# Altium PCB 400501.PcbDoc (part 4 of 4)
Units mm, origin at the board's own origin, x right, y up, seen from the top; angles counter-clockwise.
Board outline 53 x 53 mm, 4 copper layers (Top Layer, Mid-Layer 1, Mid-Layer 2, Bottom Layer), stack 1.518 mm thick; 236 components, 152 nets, 829 pads, 1158 vias.
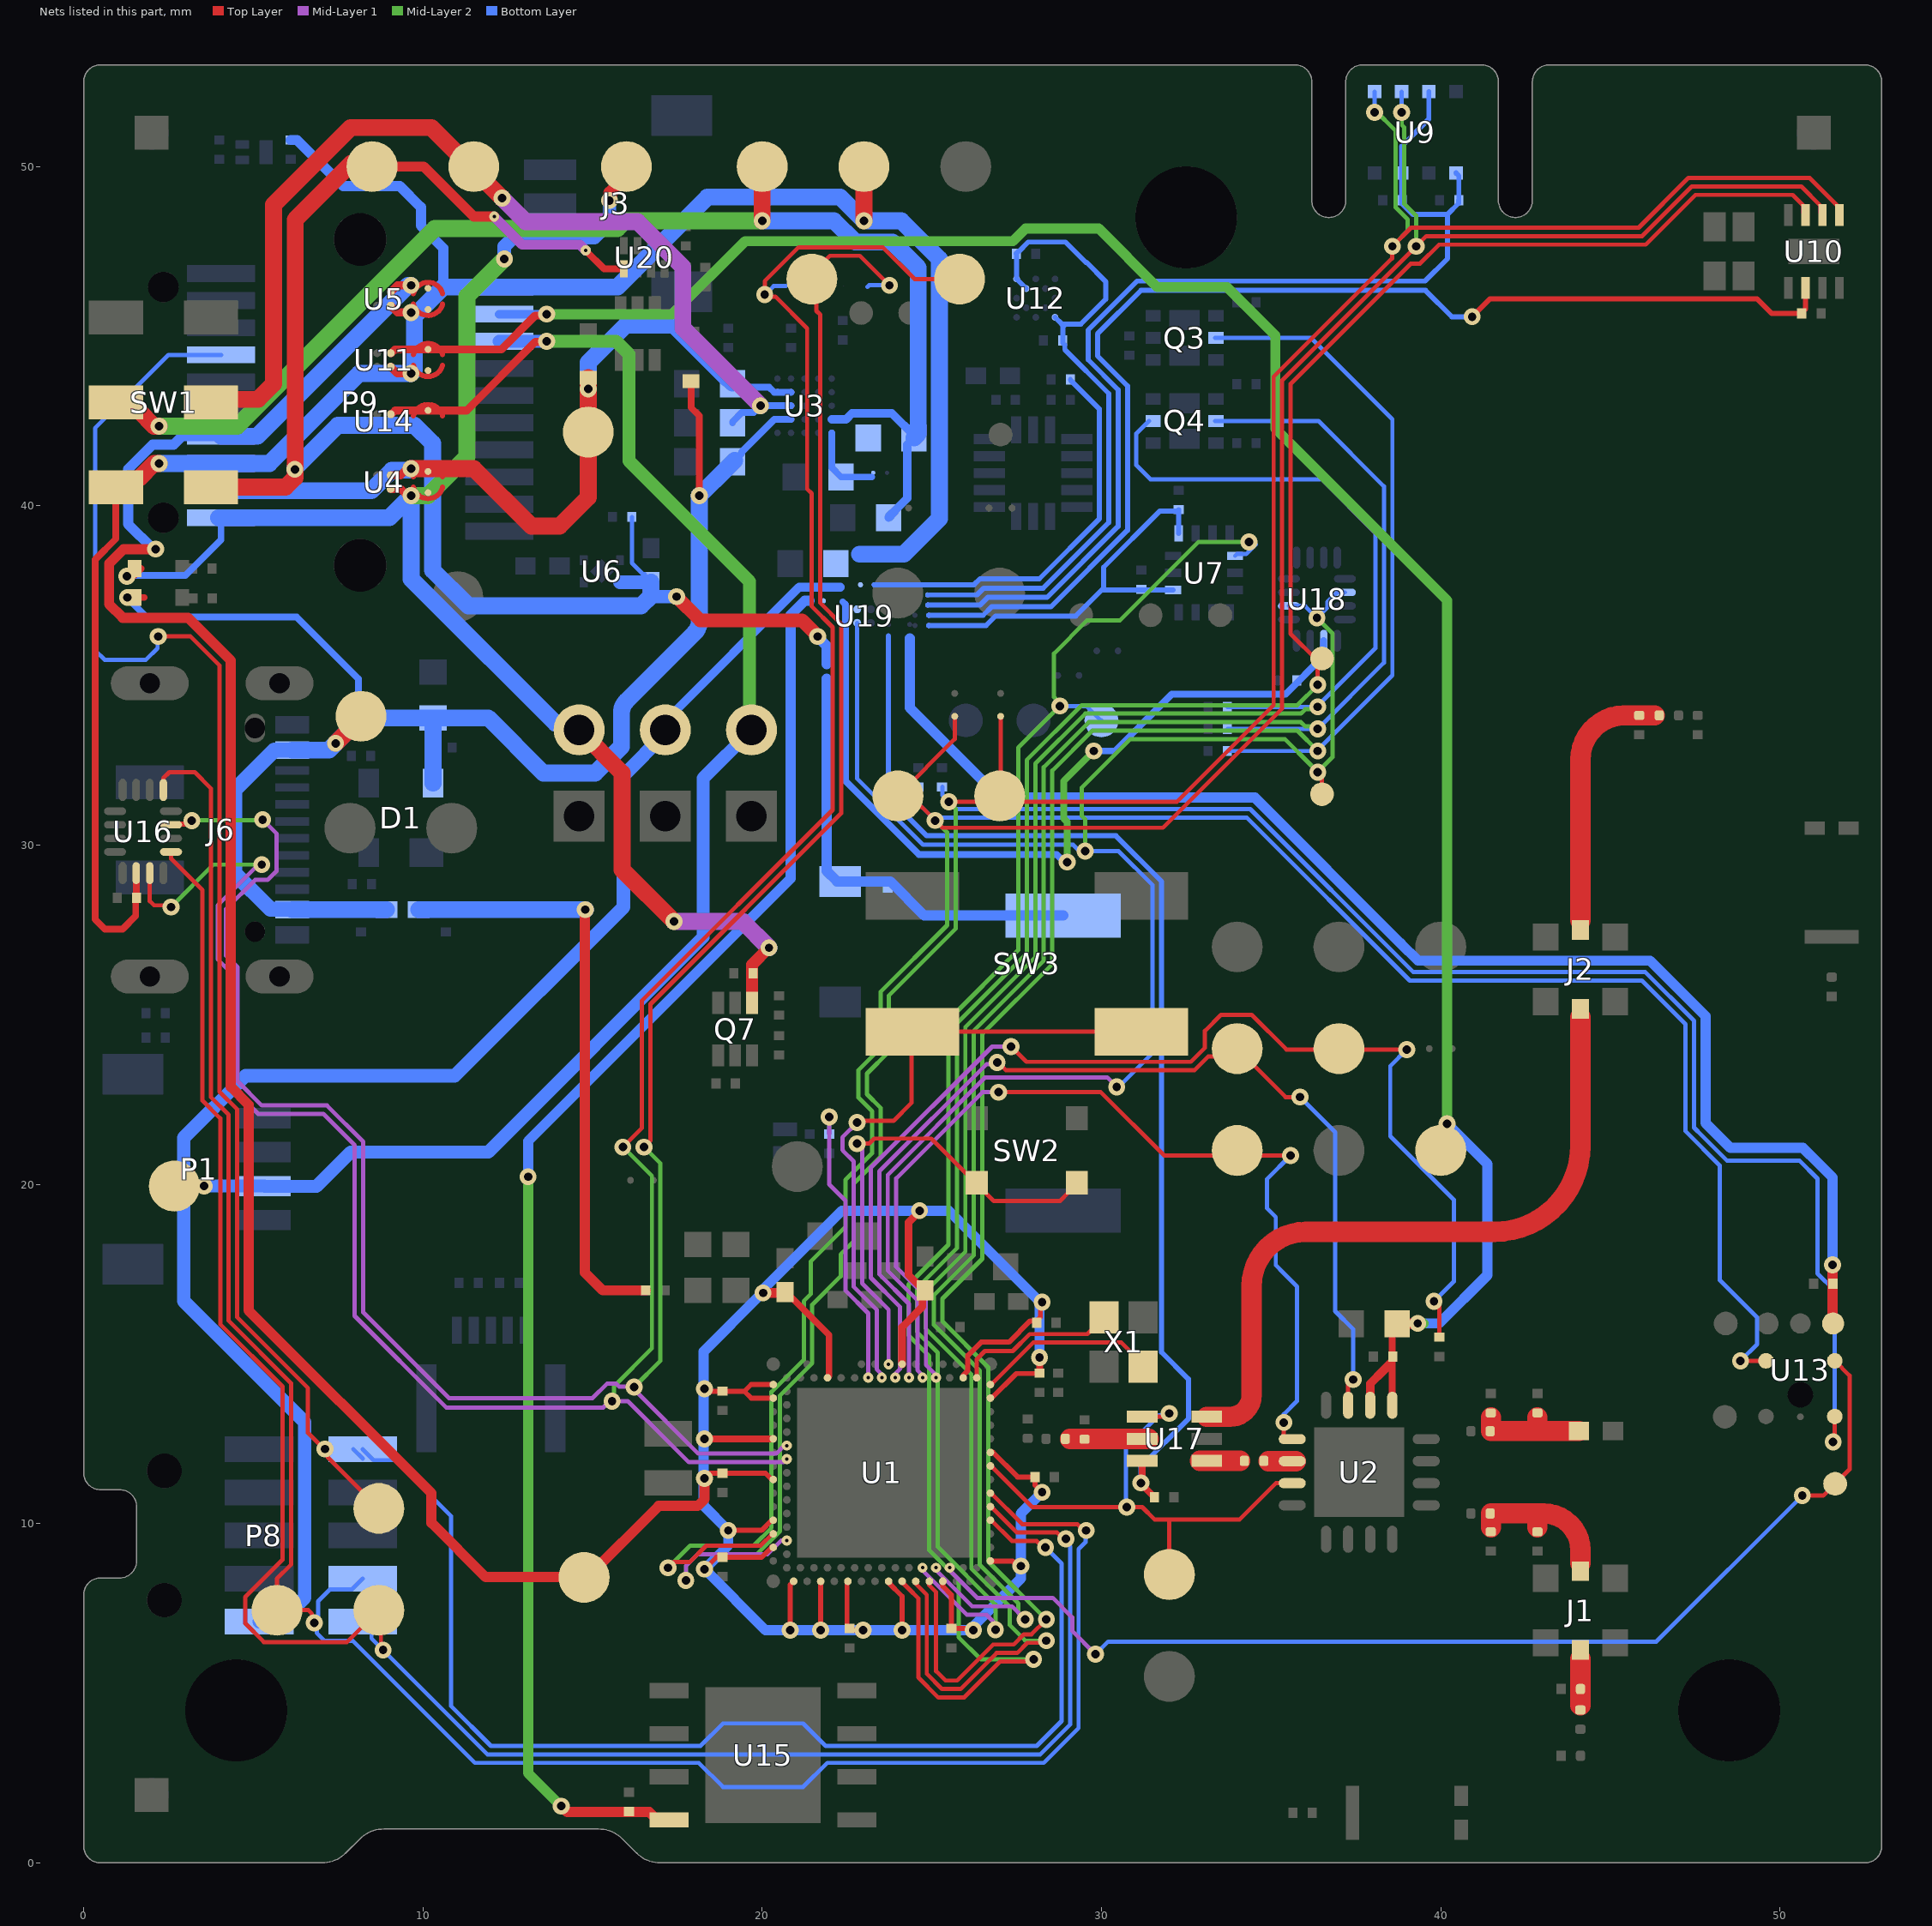
[diagram p6: the nets of this part, all layers, seen from the top]

## Via types
v1: diameter 0.5, hole 0.25, Top Layer to Bottom Layer, tented both sides, 843 vias
v2: diameter 0.3, hole 0.1, Top Layer to Mid-Layer 1, tented both sides, 281 vias
v3: diameter 0.3, hole 0.1, Mid-Layer 2 to Bottom Layer, tented both sides, 34 vias

## Nets (pads, with @x,y where several pads share a name; then routed paths per layer and width w, separated by ;. In a path a pad name is that pad's centre, name@x,y a point inside that pad or via, vN(x,y) a via of type N, cw(c..) or ccw(c..) an arc to the next point about the centre after c; other vN are vias at no path point) (continued)
P0.30: TP42.1 U1.B24 U2.9 | length 29.1
  Top Layer w0.125: v1(26.968,22.718) 29.982,22.718 31.85,20.85 v1(35.575,20.85) ; v1@35.367,12.864 35.367,12.573 35.448,12.492 U2.9@35.622,12.492
  Mid-Layer 1 w0.125: v2(25.125,14.3) 25.125,14.378 24.825,14.678 24.825,16.686 23.95,17.561 23.95,20.176 26.492,22.718 v1(26.968,22.718)
  Bottom Layer w0.125: v1(35.376,12.982) 35.376,13.226 35.762,13.612 35.762,16.988 35.275,17.475 35.275,17.481 35.138,17.619 35.138,19.037 34.883,19.292 34.883,20.158 v1(35.575,20.85)
P0.31: TP47.1 U1.B22 U18.2 U18.10 U19.B2 | length 52.6
  Top Layer w0.125: v1(36.375,32.15) 36.375,32.1 36.5,31.975 TP47.1@36.5,31.5
  Mid-Layer 1 w0.125: v2(24.725,14.3) 24.725,14.378 24.575,14.528 24.575,16.583 23.7,17.458 23.7,20.279 26.576,23.155 30.17,23.155 v1(30.45,22.875)
  Mid-Layer 2 w0.125: v1(29.521,29.825) 29.521,30.762 29.421,30.861 29.421,31.696 30.85,33.125 35.406,33.125 36.194,32.338 ; v1(36.35,36.7) 36.813,36.237 36.813,32.594 36.556,32.338
  Bottom Layer w0.125: U19.B2@22.8,36.55 22.8,31.954 24.741,30.013 29.162,30.013 29.35,29.825 29.421,29.825 30.504,29.825 31.5,28.829 31.5,23.861 30.514,22.875 v1(30.45,22.875) ; U18.2@35.525,37.05 36,37.05 v1(36.35,36.7) 36.663,37.013 36.663,37.173 36.837,37.348 36.839,37.348 36.942,37.45 U18.10@37.175,37.45
P1.00: SB11.1 TP33.1 U1.M2 U16.3 | length 75.5
  Top Layer w0.125: U16.3@2.575,30.6 U16.3@2.593,30.618 ; v1@2.982,30.618 3.086,30.722 v1(3.188,30.722) ; v1(16.518,21.1) 16.706,21.288 16.706,25.313 22.327,30.934 22.327,36.523 21.712,37.138 21.712,45.632 21.597,45.747 21.597,46.551 TP33.1@21.464,46.684 21.464,46.837 21.999,47.372 22.878,47.372 v1(23.75,46.5)
  Top Layer w0.152: U16.3@2.593,30.618 v1@2.982,30.618
  Mid-Layer 1 w0.125: v1(5.275,30.75) 5.688,30.337 5.688,29.244 5.419,28.975 5.054,28.975 4.2,28.121 4.2,26.737 4.537,26.4 4.537,23.038 5.25,22.325 7.172,22.325 8.237,21.26 8.237,16.229 10.767,13.7 15,13.7 15.425,14.125 15.697,14.125 15.787,14.035 16.215,14.035 v1(16.225,14.025) 16.225,13.954 18.116,12.063 20.411,12.063 20.648,12.3 v2(20.725,12.3)
  Mid-Layer 2 w0.125: v1@3.064,30.724 3.076,30.736 5.261,30.736 v1(5.275,30.75) ; v1(16.225,14.025) 17,14.8 17,20.618 v1(16.518,21.1)
  Bottom Layer w0.125: 23.1,46.45 23.15,46.5 v1(23.75,46.5)
P1.01: SB10.1 TP32.1 U1.P2 U16.15 | length 80.7
  Top Layer w0.125: U16.15@1.95,29.175 1.95,28.35 2.075,28.225 2.525,28.225 v1(2.575,28.175) ; v1(15.893,21.1) 16.456,21.662 16.456,25.416 22.075,31.036 22.075,36.421 21.462,37.034 21.462,40.363 21.325,40.5 21.325,45.23 20.387,46.168 20.132,46.168 v1(20.075,46.225) 20.075,46.621 21.076,47.622 23.553,47.622 24.491,46.684 TP32.1@25.791,46.684
  Mid-Layer 1 w0.125: v1(5.25,29.425) 5.15,29.425 3.95,28.225 3.95,26.634 4.287,26.296 4.287,22.934 5.146,22.075 7.069,22.075 7.987,21.156 7.987,16.126 10.688,13.425 15.314,13.425 15.502,13.613 v1(15.575,13.613) ; v1@15.613,13.613 16.038,13.613 17.837,11.813 20.638,11.813 v2(20.725,11.9)
  Mid-Layer 2 w0.125: v1(2.575,28.175) 3.825,29.425 v1(5.25,29.425) ; v1(15.575,13.613) 15.631,13.669 15.631,14.05 16.75,15.169 16.75,20.25 15.9,21.1 v1(15.893,21.1)
  Bottom Layer w0.125: v1(20.075,46.225) 20.086,46.225 20.336,46.475 SB10.1@20.7,46.475
P1.02: R23.2 SB1.2 TP4.1 U1.AE1 U9.3 U10.6 U13.2 | length 117.3
  Top Layer w0.125: v1(17.225,8.7) 17.4,8.875 17.875,8.875 18.35,9.35 19.951,9.35 20.301,9.7 U1.AE1@20.325,9.7 ; SB1.2@25.675,33.796 25.675,33.125 TP4.1@24,31.45 24.375,31.45 v1(25.1,30.725) 25.313,30.512 31.812,30.512 35.325,34.025 35.325,43.7 v1(39.275,47.65) 39.575,47.95 45.938,47.95 47.403,49.416 50.624,49.416 51.187,48.853 51.187,48.638 U10.6@51.25,48.575 ; v1(48.835,14.8) U13.2@49.585,14.8
  Mid-Layer 2 w0.125: v1(17.225,8.7) 17.875,9.35 19.747,9.35 20.275,9.879 20.275,13.883 21.225,14.833 21.225,16.558 21.438,16.771 21.438,17.732 22.45,18.744 22.45,20.132 23.238,20.919 23.238,22.155 22.837,22.555 22.837,23.37 23.488,24.02 23.488,25.674 25.45,27.636 25.45,30.375 v1(25.1,30.725) ; v1(38.85,51.598) 38.85,51.226 38.925,51.151 38.925,48.897 39.275,48.547 v1(39.275,47.65)
  Bottom Layer w0.125: R23.2@24.6,31.715 24.609,31.706 24.609,31.216 v1(25.1,30.725) ; v1@25.263,30.812 34.282,30.812 39.088,26.006 45.927,26.006 47.215,24.718 47.215,21.568 48.225,20.558 48.225,17.179 49.323,16.081 49.323,15.287 v1(48.835,14.8) ; v1(38.85,51.598) U9.3@38.85,52.211
P1.03: R22.2 SB2.2 TP5.1 U1.AF2 U9.4 U10.5 U13.4 | length 121.2
  Top Layer w0.125: v1(25.5,31.275) TP5.1@26.453,31.275 ; SB2.2@27.028,33.796 27.028,31.478 TP5.1@27,31.45 26.628,31.45 TP5.1@26.453,31.275 ; v1@51.615,12.41 U13.4@51.615,13.16 ; U10.5@51.75,48.575 51.687,48.638 51.687,48.853 50.874,49.666 47.3,49.666 45.834,48.2 39.125,48.2 v1(38.575,47.65) 38.564,47.639 38.564,47.292 35.075,43.804 35.075,34.129 32.221,31.275 TP5.1@26.453,31.275
  Mid-Layer 1 w0.125: v1(17.75,8.325) 17.75,8.75 18.1,9.1 20.155,9.1 20.555,9.5 v2(20.725,9.5)
  Mid-Layer 2 w0.125: v1(17.75,8.325) 17.75,8.75 18.1,9.1 19.85,9.1 20.525,9.775 20.525,13.779 21.475,14.729 21.475,16.454 22.313,17.292 22.313,17.937 22.7,18.325 22.7,20.028 23.488,20.815 23.488,22.259 23.087,22.659 23.087,23.266 23.738,23.916 23.738,25.57 25.7,27.532 25.7,31.075 v1(25.5,31.275) ; v1@38.05,51.673 38.675,51.048 38.675,48.794 39.025,48.444 39.025,48.1 v1(38.575,47.65)
  Bottom Layer w0.125: R22.2@25.315,31.715 25.315,31.46 v1(25.5,31.275) 25.713,31.062 34.385,31.062 39.191,26.256 46.03,26.256 47.465,24.821 47.465,21.671 47.709,21.428 48.435,20.702 50.571,20.702 51.105,20.168 51.105,17.37 51.615,16.86 v1@51.615,12.41 ; v1(38.05,51.598) U9.4@38.05,52.211
  other v1: 51.565,12.41
P1.04: TP7.1 U1.AL19 U7.12 | length 50.5
  Top Layer w0.125: U1.AL19@24.125,8.258 24.142,8.258 24.326,8.075 ; U1.AL19@24.125,8.276 24.326,8.075 ; 25.85,4.875 25.196,4.875 24.6,5.471 24.6,7.8 24.326,8.075 ; 25.851,4.876 25.951,4.876 27.013,5.937 27.937,5.937 v1(28,6)
  Top Layer w0.15: U1.AL19@24.125,8.258 U1.AL19@24.125,8.3
  Mid-Layer 2 w0.125: v1(28,6) 26.444,6 25.788,6.656 25.788,8.348 24.925,9.211 24.925,14.936 24.313,15.548 24.313,17.046 25.488,18.221 25.488,24.845 27.549,26.907 27.549,32.874 28.688,34.013 v1@28.688,34.1 ; v1(28.775,34.1) 28.775,34.186 28.6,34.361 28.6,35.646 29.579,36.625 30.547,36.625 32.86,38.938 v1(34.35,38.938)
  Bottom Layer w0.125: v1@28.95,34.1 29.556,34.1 29.981,33.675 TP7.1@30,33.675 ; U7.12@33.937,38.525 33.989,38.576 34.264,38.576 v1@34.55,38.862
P1.05: TP36.1 U1.AK22 U10.7 | length 67.5
  Top Layer w0.125: v1(36.375,34.725) 36.375,35.425 35.575,36.225 35.575,43.596 39.116,47.138 39.388,47.138 39.95,47.7 46.041,47.7 47.507,49.166 50.374,49.166 50.687,48.853 50.687,48.638 U10.7@50.75,48.575
  Mid-Layer 1 w0.125: v2(24.725,8.7) 24.725,8.623 26.036,7.312 26.613,7.312 26.875,7.05 v1(26.875,6.875)
  Mid-Layer 2 w0.125: v1(26.875,6.875) 26.875,7.614 25.175,9.314 25.175,15.039 24.563,15.651 24.563,16.942 25.738,18.117 25.738,24.742 27.799,26.803 27.799,32.506 29.419,34.125 35.775,34.125 v1(36.375,34.725)
P1.06: Q4.2 R45.2 U1.AL21 | length 63
  Top Layer w0.125: U1.AL21@24.525,8.276 24.525,8.23 24.576,8.179 ; 24.576,8.178 24.85,7.904 24.85,5.575 25.3,5.125 25.7,5.125 ; 25.701,5.126 25.848,5.126 26.91,6.187 27.516,6.187 27.816,6.488 28.312,6.488 v1(28.375,6.55)
  Mid-Layer 2 w0.125: v1(28.375,6.55) 27.756,6.55 27.3,7.006 27.3,7.543 26.165,8.678 26.165,14.403 24.813,15.755 24.813,16.839 25.988,18.014 25.988,24.638 28.049,26.7 28.049,32.402 29.522,33.875 35.879,33.875 36.007,34.003 36.303,34.003 v1(36.375,34.075)
  Bottom Layer w0.125: Q4.2@31.4,42.5 31.148,42.248 31.142,42.248 31.029,42.134 31.029,41.196 31.443,40.782 36.493,40.782 38.075,39.2 38.075,35.806 36.375,34.106 v1(36.375,34.075) R45.2@33.71,34.075
P1.07: Q4.5 R46.2 U1.AK24 | length 56
  Mid-Layer 1 w0.125: v2(25.125,8.7) 25.125,8.623 26.186,7.562 27.363,7.562 v1(27.75,7.175)
  Mid-Layer 2 w0.125: v1(27.75,7.175) 27.55,7.375 27.55,7.646 26.415,8.781 26.415,14.506 25.063,15.859 25.063,16.735 26.238,17.91 26.238,24.534 28.299,26.596 28.299,32.299 29.626,33.625 35.879,33.625 36.007,33.497 36.303,33.497 v1(36.375,33.425)
  Bottom Layer w0.125: Q4.5@33.355,42.5 36.4,42.5 38.325,40.575 38.325,35.375 v1(36.375,33.425) R46.2@33.71,33.425
P1.08: Q3.5 R44.2 U1.AL23 | length 62.6
  Top Layer w0.125: U1.AL23@24.925,8.3 24.925,8.183 25.125,7.983 25.125,5.653 25.403,5.376 25.744,5.376 26.806,6.438 27.413,6.438 27.713,6.738 27.938,6.738 v1(28.375,7.175)
  Mid-Layer 2 w0.125: v1(28.375,7.175) 26.665,8.885 26.665,14.61 25.313,15.962 25.313,16.632 26.488,17.807 26.488,24.431 28.549,26.492 28.549,32.195 29.729,33.375 35.775,33.375 v1(36.375,32.775)
  Bottom Layer w0.125: Q3.5@33.355,44.95 36.175,44.95 38.575,42.55 38.575,35.006 36.375,32.806 v1(36.375,32.775) R44.2@33.71,32.775
P1.09: TP28.1 U1.AK26 U13.5 | length 33.5
  Top Layer w0.125: v1(50.657,10.827) 51.277,10.827 TP28.1@51.625,11.175 52.05,11.6 52.05,14.365 U13.5@51.615,14.8
  Mid-Layer 1 w0.125: v2(25.525,8.7) 25.525,8.623 26.336,7.812 28.563,7.812 29.137,7.238 29.137,6.838 v1(29.825,6.15)
  Bottom Layer w0.125: v1(29.825,6.15) 30.2,6.525 46.355,6.525 v1(50.657,10.827)
P1.10: TP41.1 U1.R31 U2.11 U17.4 | length 15.8
  Top Layer w0.125: U1.R31@26.738,11.713 27.963,10.488 v1(30.743,10.488) 31.202,10.488 31.565,10.125 32,10.125 ; U17.4@31.2,13.15 v1@31.9,13.15 ; TP41.1@32,8.5 32,10.125 ; U2.11@35.622,11.192 35.142,11.192 34.075,10.125 32,10.125
  Bottom Layer w0.125: v1(30.743,10.488) 30.726,10.505 30.726,12.227 31.69,13.191 31.941,13.191 v1(32,13.25)
P1.11: TP39.1 U1.B20 U2.7 | length 30.9
  Top Layer w0.125: v1(26.925,23.593) 26.956,23.593 27.186,23.362 32.737,23.362 33.15,23.775 33.775,23.775 TP39.1@34,24 35.425,22.575 v1(35.853,22.575) ; U2.7@37.272,13.492 v1@37.272,14.247
  Mid-Layer 1 w0.125: v2(24.325,14.3) 24.325,16.479 23.45,17.354 23.45,20.383 26.608,23.541 26.874,23.541 v1(26.925,23.593)
  Bottom Layer w0.125: v1(35.853,22.575) 36.888,21.54 36.888,16.262 37.422,15.728 v1(37.422,14.247)
P1.12: R6.1 TP40.1 U1.B18 | length 35.1
  Top Layer w0.125: v1(27.338,24.063) 27.788,23.612 32.634,23.612 33.05,24.029 33.05,24.525 33.525,25 34.425,25 35.45,23.975 v1(39,23.975) ; v1(39.802,16.555) 39.962,16.394 R6.1@39.962,15.495
  Mid-Layer 1 w0.125: v2(23.925,14.3) 23.925,14.423 24.063,14.561 24.063,16.388 23.2,17.25 23.2,20.486 26.777,24.063 v1(27.338,24.063)
  Bottom Layer w0.125: v1(39,23.975) 38.513,23.488 38.513,21.42 40.388,19.545 40.388,19.263 40.388,17.14 v1(39.802,16.555)
P1.13: SW2.2 U1.A17 | length 14.2
  Top Layer w0.125: v1@23.05,21.2 23.151,21.2 23.301,21.35 24.985,21.35 26.822,19.513 28.778,19.513 29.013,19.747 29.013,19.788 SW2.2@29.275,20.05
  Mid-Layer 1 w0.125: v1(22.8,21.2) 22.95,21.05 22.95,17.083 23.725,16.308 v2(23.725,14.7)
P1.14: SW3.2 U1.B16 | length 17.4
  Top Layer w0.125: v1@22.95,21.875 23.875,21.875 24.4,22.4 24.4,24.475 SW3.2@24.425,24.5 SW3.2@29.875,24.5
  Mid-Layer 1 w0.125: v1(22.8,21.825) 22.362,21.387 22.362,21.019 22.375,21.006 22.375,21 22.7,20.675 22.7,16.979 23.375,16.304 23.375,14.55 23.525,14.4 v2(23.525,14.3)
P1.15: R21.1 U1.B14 | length 8.6
  Mid-Layer 1 w0.125: v1(21.975,21.987) 21.975,20 22.45,19.525 22.45,16.875 23.125,16.2 v2@23.125,14.325
  Bottom Layer w0.125: R21.1@21.975,21.497 v1(21.975,21.987)
  other v2: 23.125,14.3
PVSS: C35.1 C48.1 J4.2 U3.A5 | length 2.3
  Bottom Layer w0.2: U3.A5@22.05,42.15 22.05,41.125 C48.1@22.325,40.85 23.225,40.85
R\E\S\E\T\: P8.10 P9.7 TP11.1 U1.AC31 | length 78.6
  Top Layer w0.125: v1(2.2,36.15) 3.15,36.15 4,35.3 4,22.734 4.525,22.209 4.525,16.082 6.612,13.995 6.612,12.675 v1@7.087,12.2 ; v1(7.112,12.2) 7.184,12.128 7.184,11.966 TP11.1@8.7,10.45 ; U1.AC31@26.738,10.113 27.362,9.488 28.089,9.488 28.277,9.3 v1(28.35,9.3)
  Bottom Layer w0.125: v1(2.2,36.15) 2.178,36.128 2.178,35.803 1.838,35.463 0.619,35.463 0.337,35.744 0.337,42.287 2.5,44.45 P9.7@4.05,44.45 ; P8.10@7.945,12.2 P8.10@8.225,11.92 ; P8.10@8.225,12.19 8.543,11.872 9.178,11.872 10.825,10.225 10.825,4.629 12.004,3.45 18.181,3.45 18.844,4.113 21.206,4.113 21.869,3.45 28.093,3.45 28.825,4.182 28.825,8.825 v1(28.35,9.3)
RF: C21.2 L1.1 U17.5 | length 2.3
  Top Layer w0.6: 29.075,12.5 U17.5@31.2,12.5 U17.5@31.4,12.5
RF1: C25.1 U17.1 | length 1.2
  Top Layer w0.6: U17.1@32.9,11.85 U17.1@33.1,11.85 34.08,11.85
RF2: J2.1 U17.3 | length 20.7
  Top Layer w0.6: U17.3@33.1,13.15 33.787,13.15 ccw(c33.787,13.788) 34.425,13.788 34.425,17 cw(c36.025,17) 36.025,18.6 41.577,18.6 ccw(c41.577,21.14) 44.117,21.14 J2.1@44.117,24.927
RF2_SW: C20.2 J2.3 L6.1 | length 7.7
  Top Layer w0.6: 44.117,27.786 44.117,32.516 cw(c45.425,32.516) 45.395,33.825 C20.2@45.85,33.825 46.305,33.825
RF_O1: C26.2 C28.2 J1.1 L4.2 | length 4.4
  Top Layer w0.6: 41.483,9.895 41.483,10.303 42.847,10.303 ; 42.847,9.895 42.847,10.303 ; J1.1@44.117,8.839 44.117,9.217 ccw(c43.031,9.217) 43.031,10.303 42.847,10.303
RF_O1_SW: J1.3 L7.2 R5.1 | length 1.4
  Top Layer w0.6: R5.1@44.117,4.645 J1.3@44.117,6.015
RF_O2: C27.2 C29.2 L5.2 R2.2 | length 3.4
  Top Layer w0.6: 41.483,13.13 41.483,12.731 42.847,12.731 ; 42.847,13.13 42.847,12.731 ; R2.2@44.075,12.731 42.847,12.731
SWDCLK: P8.4 TP10.1 U1.W31 U16.5 | length 65.6
  Top Layer w0.125: U16.5@2.35,31.625 2.35,31.975 2.525,32.15 3.275,32.15 3.75,31.675 3.75,28.131 3.75,22.575 4.275,22.05 4.275,15.979 6.112,14.141 6.112,8.792 5.7,8.38 TP10.1@5.7,7.45 6.625,7.45 6.728,7.347 6.728,7.147 v1(6.8,7.075) ; U1.W31@26.738,10.913 27.662,9.988 29.289,9.988 29.477,9.8 v1(29.55,9.8)
  Bottom Layer w0.125: v1(6.8,7.075) 6.836,7.111 6.836,7.212 6.913,7.289 6.913,7.713 7.262,8.062 7.908,8.062 P8.4@8.225,8.38 ; v1@6.872,7.075 6.872,6.778 7.108,6.542 7.939,6.542 11.531,2.95 18.131,2.95 18.844,2.238 21.206,2.238 21.919,2.95 28.3,2.95 29.325,3.975 29.325,9.25 29.528,9.453 29.528,9.778 v1(29.55,9.8)
SWDIO: P8.2 TP9.1 U1.AA31 U16.1 | length 61.2
  Top Layer w0.125: U16.1@2.575,29.8 2.575,29.6 3.499,28.676 3.499,22.472 4.025,21.946 4.025,15.875 5.862,14.038 5.862,8.938 4.763,7.838 4.763,7.062 5.312,6.513 7.763,6.513 TP9.1@8.7,7.45 8.763,7.388 8.763,6.337 v1(8.825,6.275) ; U1.AA31@26.738,10.513 27.512,9.738 28.689,9.738 28.877,9.55 v1(28.95,9.55)
  Bottom Layer w0.125: P8.2@8.225,7.11 8.484,6.851 8.484,6.616 v1(8.825,6.275) 11.9,3.2 28.197,3.2 29.075,4.078 29.075,9.324
TRX: C25.2 U2.10 | length 0.8
  Top Layer w0.6: 34.92,11.842 U2.10@35.622,11.842 U2.10@35.725,11.842
V_Bat: C46.2 D5.1 P9.2 SB5.1 TP16.1 U3.D1 U3.D2 U4.A1 | length 24.4
  Top Layer w0.2: v1@9.537,41.1 v1(9.65,41.1)
  Top Layer w0.235: U4.A1@9.05,40.9 9.337,40.9 v1@9.537,41.1
  Top Layer w0.5: v1(9.65,41.1) 9.886,41.1 10.414,41.1 11.5,41.1 13.2,39.4 14.025,39.4 14.875,40.25 TP16.1@14.875,42.175 v1(14.875,43.45) D5.1@14.875,43.775
  Bottom Layer w0.2: C46.2@19.175,43.65 19.325,43.5 20.203,43.5 20.353,43.35 U3.D1@20.45,43.35 U3.D2@20.85,43.35
  Bottom Layer w0.5: P9.2@3.975,40.45 3.979,40.446 8.48,40.446 9.084,41.05 v1@9.6,41.05 ; v1(14.875,43.45) 14.875,44.225 15.983,45.333 17.392,45.333 18.361,44.364 18.975,43.75 19,43.75 C46.2@19.125,43.625
VBUS: C44.2 FB1.2 R1.1 | length 17.6
  Top Layer w0.3: v1(14.787,28.099) 14.775,28.087 14.775,17.4 15.3,16.875 R1.1@16.565,16.875
  Mid-Layer 2 w0.27: v1(14.787,28.099) v1@14.799,28.099
  Bottom Layer w0.5: FB1.2@9.875,28.1 9.876,28.099 v1(14.787,28.099)
VBUS': C34.2 C43.2 C53.2 C58.2 D1.4 D4.1 D6.1 FB1.1 J6.2 J6.11 TP18.1 U3.B1 U3.B2 | length 49.1
  Top Layer w0.2: v1@1.171,37.3 1.784,37.3 ; D6.1@17.9,43.675 17.902,43.673 17.902,42.9 18.15,42.652 v1(18.15,40.3)
  Top Layer w0.5: v1(7.425,33) TP18.1@8.5,34.075
  Bottom Layer w0.2: v1(1.292,37.3) 1.292,37.283 1.85,36.725 6.275,36.725 8.1,34.9 8.1,33.825 8.175,33.75 ; C34.2@19.188,41.338 19.4,41.55 19.4,41.59 20.36,42.55 U3.B1@20.45,42.55 U3.B2@20.85,42.55
  Bottom Layer w0.45: J6.2@6.14,28.11 5.507,28.11 4.45,29.167 4.45,31.625 5.625,32.8 J6.11@6.15,32.8
  Bottom Layer w0.5: J6.2@6.15,28.1 FB1.1@8.925,28.1 ; J6.11@6.15,32.8 7.225,32.8 v1(7.425,33) 8.175,33.75 C53.2@10.3,33.75 ; D1.4@10.3,31.825 C53.2@10.3,33.75 ; C34.2@19.188,41.338 19,41.15 v1(18.15,40.3) 18.15,36.607 cw(c17.65,36.607) 18.004,36.254 15.996,34.246 ccw(c16.35,33.893) 15.85,33.893 15.85,32.9 15.075,32.125 13.55,32.125 11.925,33.75 C53.2@10.3,33.75
VDD_ADXL362: R18.1 ST3.2 | length 11.9
  Bottom Layer w0.15: ST3.2@23.303,37.675 26.244,37.675 26.419,37.85 28.169,37.85 29.935,39.616 29.935,42.86 29.085,43.71 R18.1@29.085,43.725